# Allegro board CATALYST_NOZZLE_V1_2601.brd (continued)
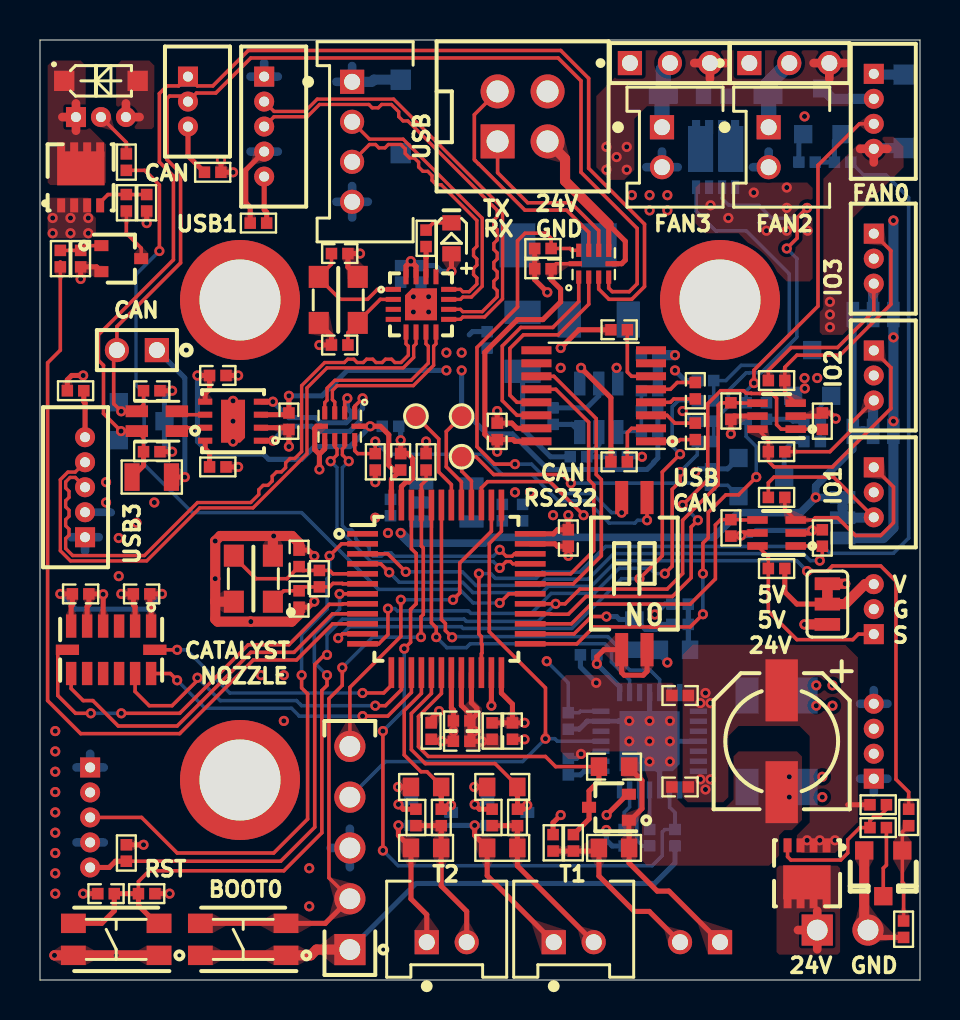
[diagram p0: board, top side]
## Routing (per net, layer and track width the routed paths; a pad name or vN(x,y) marks a point on that pad's centre or on a via; arc(x,y) is an arc through that point) (continued)
GND: length 176.2
  TOP w0.254: v1(19.96,13.44) 19.56,13.05 FB3.1 ; v1(26.42,21.21) C28.2 25.87,21.69 25.75,21.81 U8.35 ; U11.6 28.44,37.77 29.27,36.94 29.27,36 29.08,35.81 U11.5 ; C34.2 13.43,18.64 v1(13.72,18.92) ; J10.2 41.77,2.13 R27.1 ; J23.4 10.29,40.5 10.29,38.86 10.51,38.64 FB5.1 ; C33.2 13.42,21.49 v1(13.72,21.2) ; C5.2 28.54,29.11 v1(27.05,30.61) ; Q2.2 2.83,35.66 R24.1 v1(2.03,35.05) ; U7.2 4.75,18.67 4.67,18.76 C25.2 v1(4.06,19.3) ; U2.15 23.85,27.58 23.59,27.84 C2.2 v1(22.86,28.45) ; R7.1 v1(16.76,24.89) ; v1(2.16,30.23) 1.58,30.23 1.37,30.01 FB1.1 ; v1(18.03,26.99) C29.2 18.38,26.32 18.63,26.07 18.63,25.08 18.45,24.9 18.3,24.9 18.07,24.67 U8.47 ; U5.5 13.84,27.69 13.74,27.58 13.74,26.52 13.97,26.29 ; Y1.4 14.57,32.22 C23.2 v1(13.97,31.75) ; v1(13.97,25.53) 13.97,26.29 ; 13.97,26.29 14.24,26.56 U5.6 ; v1(9.05,40.99) FB4.1 v1(9.65,40.39) ; U12.2 12.36,27.61 C15.2 v1(12.45,26.67) ; U7.5 2.36,18.67 2.44,18.76 C24.2 3.14,19.3 v1(3.16,19.29) U7.4 ; C26.2 v1(2.16,4.32) ; C16.2 v1(9.91,30.23) ; C17.2 v1(6.6,26.42) ; U8.23 v1(22.57,13.72) ; C10.2 26.95,32.51 v1(26.04,31.6) ; R6.2 v1(9.91,25.65) ; v1(25.37,34.38) 24.73,35.02 C45.2 R51.1 ; C27.2 v1(24.23,12.03) ; C18.2 v1(6.6,29.46) ; Y1.2 15.4,35.65 C22.2 v1(16,36.32) ; R9.2 v1(19.3,26.92)
  TOP w0.432: 4.3,43.83 J9.3 4.98,43.15
  TOP w0.508: Y2.4 8.77,18.92 8.76,18.92 ; v1(11.68,22.2) 12.6,22.2 12.95,21.84 C33.2 ; v1(11.68,22.2) 11.64,22.16 Y2.2 ; v1(11.68,22.2) 9.01,22.2 v1(8.76,21.95) v1(8.76,20.07) 8.76,18.93 8.76,18.92 ; J1.2 26.25,41.06 26.25,39.95 28.44,37.77 ; SW2.1 v1(3.81,1.23) SW2.4 v1(0.72,1.23) ; J10.2 41.21,2.69 Q4.2 ; 8.76,18.92 8.76,18.04 8.88,17.92 v1(10.54,17.92) 12.59,17.92 12.95,18.29 C34.2
  ART02 w0.432: J9.3 4.3,43.83 ; J9.3 4.3,42.47 ; J9.3 4.98,43.15 ; 40.44,2.5 J10.2 ; J10.2 41.4,3.46 ; J10.2 41.4,1.54 ; J10.2 42.36,2.5 ; J1.2 25.38,42.96 ; J1.2 25.38,40.9 ; J1.2 24.35,41.93 ; J1.2 26.41,41.93 ; J8.1 41.69,45.99 ; J8.1 42.37,45.31 ; J8.1 41.01,45.31 ; 3.19,6.88 J20.4 1.83,6.88 ; 41.01,30.23 J17.2 42.37,30.23 ; J20.1 3.19,10.63 ; J20.1 2.51,11.31 ; J20.1 1.83,10.63 ; 41.01,24.38 J14.2 42.37,24.38 ; J6.3 15.49,7.56 ; J6.3 14.53,6.6 ; J6.3 16.45,6.6 ; J6.3 15.49,5.64 ; 14.82,38.91 J4.4 ; J4.4 15.61,39.7 ; J4.4 15.61,38.13 ; J4.4 16.39,38.91 ; 1.57,23.39 J22.2 2.93,23.39 ; 11.89,41.42 J23.4 10.53,41.42 ; 42.37,18.54 J11.2 41.01,18.54 ; 42.37,36.07 J18.2 41.01,36.07
  ART03 w0.432: 40.44,2.5 J10.2 ; J10.2 41.4,3.46 ; J10.2 42.36,2.5 ; J10.2 41.4,1.54 ; J20.1 2.51,11.31 ; J20.1 1.83,10.63 ; J20.1 3.19,10.63 ; 2.93,23.39 J22.2 1.57,23.39 ; 1.83,6.88 J20.4 3.19,6.88 ; J6.3 15.49,7.56 ; J6.3 16.45,6.6 ; J6.3 15.49,5.64 ; J6.3 14.53,6.6
  BOTTOM w0.254: v1(27.81,14.86) 27.02,15.65 C41.2 ; v1(32.77,25.4) 32.92,25.56 R55.2 34.38,25.56 Q11.2 ; v1(18.03,26.99) 18.03,27.59 C21.2 ; v1(6.6,29.46) 6.22,29.08 D2.3 6.22,26.8 v1(6.6,26.42) ; R45.1 32.26,29.97 v1(31.75,30.48) ; U9.18 v1(30.48,12.95) ; R28.2 37.94,42.07 Q5.2 ; R36.1 32.64,27.94 v1(32.13,28.45) ; U9.3 30.98,10.42 v1(30.48,10.92) ; R3.1 25.53,26.16 24.13,27.56 C7.2 ; R16.1 26.96,12.54 27.36,12.94 U9.13 28.94,12.94 28.96,12.95 v1(29.46,12.95) ; v1(27.05,11.3) 26.83,11.08 C40.2 ; U9.25 v1(31.5,11.94)
  BOTTOM w0.381: 3.56,23.37 3.54,23.39 J22.2
  BOTTOM w0.432: J6.3 15.49,7.56 ; J6.3 15.49,5.64 ; J6.3 14.53,6.6 ; 3.19,6.88 J20.4 1.83,6.88 ; 1.83,10.63 J20.1 ; J20.1 3.19,10.63 ; J20.1 2.51,11.31 ; 11.89,41.42 J23.4 10.53,41.42 ; J4.4 15.61,39.7 ; J4.4 15.61,38.13 ; J4.4 16.39,38.91 ; J4.4 14.82,38.91
  BOTTOM w0.508: R4.1 C6.2 v1(31.75,31.24) ; J8.1 41.73,45.27 D13.2
  vias: v1(0.76,12.45) v1(0.76,11.43) v1(0.76,10.41) v1(0.76,9.4) v1(0.76,8.38) v1(0.76,7.37) v1(0.76,6.35) v1(0.76,5.33) v1(0.76,4.32) v1(3.3,24.89) v1(3.3,23.88) v1(3.94,22.1) v1(3.94,20.19) v1(4.83,22.86) v1(5.71,23.88) v1(9.65,28.96) v1(9.65,27.94) v1(9.65,26.92) v1(11.05,15.24) v1(12.19,15.24) v1(12.19,12.95) v1(13.46,5.59) v1(13.46,3.68) v1(18.67,34.16) v1(18.67,33.4) v1(19.43,34.16) v1(19.43,33.4) v1(23.75,24.38) v1(24.51,24.38) v1(26.04,30.61) v1(29.46,11.94) v1(30.48,11.94) v1(31.5,12.95) v1(31.5,10.92) v1(33.53,38.73) v1(34.42,38.1) v1(35.69,39.37) v1(36.32,37.47) v1(37.34,39.62) v1(37.34,38.61) v1(37.34,37.47) v1(37.47,10.16) v1(37.47,9.14) v1(38.23,43.18) v1(38.38,37.47) v1(38.81,14.73) v1(38.81,13.72) v1(39.12,10.16) v1(39.12,9.14) v1(39.62,14.73) v1(39.62,13.72)
VBUS: length 8.1
  BOTTOM w0.432: J23.1 11.89,45.17 ; J23.1 10.53,45.17 ; J23.1 11.21,45.85 ; 2.25,21.46 J22.1 ; J22.1 2.93,22.14 ; J22.1 1.57,22.14 ; 14.82,44.91 J4.1 15.61,45.69
  BOTTOM w0.508: D12.1 16.7,45.02 16.59,44.91 J4.1
VDDA: length 14.6
  TOP w0.254: R39.1 21.97,8.54 v1(21.73,8.78) ; C30.1 21.84,13.3 21.84,13.59 21.57,13.86 U8.21 ; C30.1 C31.1 v1(22.1,11.94) 22.51,11.94 FB2.2 ; C30.1 21.49,13.3 21.07,13.73 U8.20 ; R33.1 25.65,7.87 v1(26.04,8.25) ; v1(17.92,8.78) 18.16,8.54 R46.1 ; v1(28.33,8.25) 29.37,9.29 D6.2
  BOTTOM w0.254: v1(30.73,18.28) 31.25,18.8 R11.1 ; v1(17.92,8.78) 18.31,8.78 D11.2 ; D8.2 22.12,8.78 v1(21.73,8.78)
  vias: v1(21.72,12.45)
VSSA: length 45
  TOP w0.254: C42.2 29.46,10.61 30.1,9.97 30.1,8.57 29.52,7.99 D6.1 29.44,7.34 29.46,7.32 RV2.1 29.46,5.85 30.86,4.45 31.45,4.45 J13.1 ; v1(17.92,7.73) 17.92,7.23 RV4.1 18.55,4.06 19.34,3.27 J19.1 ; J15.1 22.36,5.22 RV3.1 21.73,7.23 v1(21.73,7.73) ; C44.2 v1(17.91,9.65) ; FB3.2 19.65,11.94 v1(20.07,11.94) C31.2 v1(20.67,12.45) C30.2 20.67,13.5 20.57,13.6 U8.19 ; C43.2 v1(21.72,9.65)
  ART02 w0.432: J19.1 19.34,2.67 ; J19.1 20.12,1.89 ; J19.1 18.55,1.89 ; J13.1 34.79,1.89 ; J13.1 33.22,1.89 ; J13.1 34,2.67 ; J15.1 25.69,2.67 ; J15.1 26.47,1.89 ; J15.1 24.9,1.89
  BOTTOM w0.254: v1(31.37,15.88) 31,16.25 RV1.1 29.73,16.51 C32.2 ; D8.1 v1(21.73,7.73) D11.1 v1(17.92,7.73)
BOOT0: length 33.4
  TOP w0.178: v1(15.11,15.62) 15.11,14.73 14.45,14.07 14.45,5.11 J6.2 ; v1(19.05,17.14) 19.05,18.16 19.16,18.28 19.16,21.6 19.07,21.7 U8.45 19.07,24.76 19.3,24.99 R9.1
  TOP w0.254: SW1.3 SW1.2 14.26,2.83 J6.2
  BOTTOM w0.178: v1(19.05,17.14) 16.64,17.14 v1(15.11,15.62)
CAN_RX: length 6.9
  TOP w0.178: U5.2 15.23,28.95 v1(15.37,29.08)
  TOP w0.254: U12.4 v1(11.64,28.92)
  BOTTOM w0.254: v1(11.64,28.92) 12.44,28.12 13.77,28.12 14.02,27.86 15.31,27.86 15.57,28.13 15.57,28.37 15.37,28.57 v1(15.37,29.08)
CAN_TX: length 7.7
  TOP w0.178: v1(16.13,29.08) 15.74,28.69 U5.1
  TOP w0.254: U12.1 v1(11.64,26.96)
  BOTTOM w0.254: v1(11.64,26.96) 12.36,27.69 13.59,27.69 13.84,27.43 15.49,27.43 16,27.95 16,28.45 16.13,28.57 v1(16.13,29.08)
CANH: length 61.4
  TOP w0.178: U11.3 27.93,34.55 28.45,34.04 29.59,34.04 30.23,34.67 30.23,37.79 27.43,40.59 27.43,45.08 26.04,46.47 10.41,46.47 8.64,44.7 7.87,44.7 J21.1 6.93,44.7 6.35,44.7 5.97,44.32 5.97,40.9 6.67,40.2 6.67,36.01 2.92,32.26 2.92,30.99 3.17,30.73 3.17,28.32 v1(4.05,27.44) L2.2 5.18,27.11 C17.1
  TOP w0.254: C17.1 5.18,25.72 R5.2
  BOTTOM w0.254: v1(4.05,27.44) 3.94,27.33 3.94,26.99
CANL: length 55.7
  TOP w0.178: C18.1 5.18,28.77 L2.4 v1(4.06,28.44) 3.68,28.81 3.68,31.33 J3.2 3.85,32.67 7.03,35.86 7.03,40.34 6.35,41.02 6.35,44.07 6.48,44.2 7.12,44.2 J21.2 7.83,44.35 8.79,44.35 10.54,46.1 25.91,46.1 27.05,44.96 27.05,40.39 29.86,37.58 29.86,34.81 29.46,34.42 28.61,34.42 28.44,34.59 U11.4
  BOTTOM w0.254: v1(4.06,28.44) 3.94,28.56 3.94,28.89
DC_5V: length 97.8
  TOP w0.254: U12.3 12.36,28.27 C15.1 v1(12.45,29.21)
  TOP w0.432: J26.3 34.28,45.85 ; J26.3 32.71,45.85 ; J26.3 33.5,45.06 ; J25.3 40.25,45.85 ; J25.3 38.68,45.85 ; J25.3 39.47,45.06
  TOP w0.508: 39.37,19.43 JP1.1 v1(40.26,19.81)
  ART03 w0.254: v1(38.79,24.13) 38.79,23.62 40.26,22.15 v1(40.26,19.81)
  ART03 w1.016: 15.75,23.24 7.11,23.24 5.08,21.21 5.08,10.41 4.04,9.38 J20.2
  BOTTOM w0.254: C8.1 21.62,32.42 21.46,32.26 ; v1(12.45,29.21) 14.1,29.21 15.37,30.48 v1(20.32,30.48) ; N2.2 JP2.1 ; R2.2 C3.1 30.89,26.1 30.68,25.89 30.68,25.86 30.35,25.53 25.4,25.53 23.62,27.3 22.35,27.3 21.08,28.57 v1(21.08,30.48) ; N4.2 JP4.1 ; N3.2 JP3.1
  BOTTOM w0.381: 18.54,21.84 22.23,21.84 22.51,22.13 33.69,22.13 34.92,23.37 38.02,23.37 v1(38.79,24.13) ; JP2.1 v1(38.79,24.13) ; v1(38.79,24.13) 38.79,24.69 40.64,26.54 JP3.1 JP4.1
  BOTTOM w0.508: 18.54,21.84 v1(18.03,22.35)
  vias: v1(16.76,23.11) v1(17.4,22.35) v1(20.32,31.37) v1(21.08,31.37) v1(28.32,41.66) v1(28.32,40.51) v1(28.83,41.15) v1(29.34,41.66) v1(29.34,40.51)
DM1: length 22.3
  TOP w0.168: U6.9 21.02,33.03 21.14,33.15 22.23,33.15 23.13,34.05 23.13,38.6 17.68,44.04 13.86,44.04 13.25,43.43 11.7,43.43 J23.2
DM2: length 8.5
  TOP w0.168: U6.7 19.3,31.81 19.42,31.69 19.42,30.84 18.56,29.98 14.75,29.98 14.35,29.59 14.35,28.99 14.24,28.87 U5.4
DM3: length 30.4
  TOP w0.168: U6.5 18.3,31.81 18.42,31.69 18.42,31.24 18.05,30.87 17.75,30.87 17.58,31.04 17.27,31.04 17.11,30.87 16.8,30.87 16.63,31.04 16.33,31.04 16.16,30.87 15.86,30.87 15.69,31.04 15.38,31.04 15.22,30.87 14.24,30.87 13.08,29.72 13.08,26.42 12.74,26.07 12.5,26.07 12.28,25.86 12.28,25.62 12.07,25.4 11.83,25.4 11.61,25.19 11.61,24.95 11.4,24.73 11.16,24.73 10.94,24.52 10.94,24.27 10.54,23.87 7.87,23.87 5.22,21.22 1.64,21.22 1.28,21.57 1.28,22.07 1.45,22.24 1.45,22.55 1.28,22.71 1.28,23.02 1.45,23.19 1.45,23.49 1.28,23.66 1.28,23.96 1.45,24.13 1.45,24.43 1.28,24.6 1.28,24.91 1.5,25.13 1.76,25.13 J22.3
DMU: length 13.9
  TOP w0.168: U6.11 21.02,34.03 21.14,34.15 21.57,34.15 22.11,34.69 22.11,38.09 18.16,42.04 16.47,42.04 J4.2
DP1: length 22.2
  TOP w0.168: U6.10 21.02,33.53 21.14,33.42 22.11,33.42 22.86,34.16 22.86,34.47 22.69,34.64 22.69,34.94 22.86,35.11 22.86,35.41 22.69,35.58 22.69,35.89 22.86,36.05 22.86,36.36 22.69,36.53 22.69,36.83 22.86,37 22.86,37.53 22.69,37.69 22.69,38 22.86,38.17 22.86,38.49 18.39,42.95 18.15,42.95 17.93,43.17 17.93,43.41 17.57,43.78 17.08,43.78 16.92,43.61 16.61,43.61 16.44,43.78 13.98,43.78 13.36,43.16 11.7,43.16 J23.3
DP2: length 8.5
  TOP w0.168: U5.3 14.74,28.9 14.62,29.02 14.62,29.48 14.86,29.72 18.67,29.72 19.68,30.73 19.68,31.69 19.8,31.81 U6.8
DP3: length 30.5
  TOP w0.168: J22.4 1.76,25.39 1.39,25.39 1.02,25.02 1.02,21.46 1.52,20.95 5.33,20.95 7.99,23.61 10.65,23.61 13.35,26.3 13.35,29.61 14.35,30.61 18.16,30.61 18.68,31.13 18.68,31.69 18.8,31.81 U6.6
DPU: length 13.8
  TOP w0.168: J4.3 16.47,41.78 16.78,41.78 16.94,41.61 17.25,41.61 17.42,41.78 18.05,41.78 18.26,41.56 18.26,41.32 18.48,41.1 18.72,41.1 18.93,40.89 18.93,40.65 19.15,40.43 19.39,40.43 19.6,40.22 19.6,39.98 19.82,39.76 20.06,39.76 21.84,37.98 21.84,36.69 21.68,36.52 21.68,36.22 21.84,36.05 21.84,35.74 21.68,35.58 21.68,35.27 21.84,35.1 21.84,34.8 21.46,34.41 21.14,34.41 21.02,34.53 U6.12
FG: length 18
  TOP w0.178: J8.3 40.97,42.81 38.9,40.74 38.9,33.69 35.7,30.49 v1(35.7,29.84)
  BOTTOM w0.178: v1(35.7,29.84) 35.31,29.45 R23.2 R19.2
OA2: length 2
  BOTTOM w0.432: 41.01,13.81 J24.4 ; J24.4 41.69,14.49 ; J24.4 42.37,13.81
OB2: length 2
  BOTTOM w0.432: 41.69,9.38 J24.1 ; J24.1 42.37,10.06 ; J24.1 41.01,10.06
OSC_IN: length 7.3
  TOP w0.178: Y2.3 9.69,21.17 10.79,20.07 12.35,20.07 12.95,20.67 C33.1 13.15,20.48 R13.2 14.48,20.48 14.65,20.31 U8.5
OSC_OUT: length 4.9
  TOP w0.178: U8.6 15.14,19.81 15.12,19.83 14.65,19.83 14.47,19.65 R13.1 13.15,19.65 C34.1 12.19,19.46 Y2.1
PA0_CS: length 20.6
  TOP w0.178: v1(4.06,13.34) 6.99,13.34 10.41,16.76 12.45,16.76 14.47,18.78 15.12,18.78 15.14,18.81 U8.8 ; U7.7 1.02,16.51 0.89,16.38 0.89,14.22 1.78,13.34 v1(2.54,13.34)
  BOTTOM w0.178: v1(2.54,13.34) v1(4.06,13.34)
PA1_INT: length 18.4
  TOP w0.178: U7.8 1.56,14.57 2.16,13.97 2.64,13.97 3.91,12.7 6.86,12.7 10.54,16.38 12.7,16.38 14.63,18.31 U8.9
PA14: length 16.5
  TOP w0.178: v1(18.04,19.01) 18.04,17.18 15.49,14.63 J6.5 ; U8.38 22.57,22.44 20.99,20.85 20.99,19.35 v1(20.65,19.01)
  BOTTOM w0.178: v1(20.65,19.01) v1(18.04,19.01)
PANG: length 1.5
  TOP w0.254: R8.1 19.3,36.13 19.3,36.13 U6.14
PWM: length 2.8
  BOTTOM w0.508: Q5.3 39.63,44.06 J8.2
R1IN: length 10
  TOP w0.178: U2.13 23.85,28.88 23.5,29.24 23.5,31.58 24.17,32.26 25.91,32.26 27.44,33.79 U11.2
RX: length 8.8
  TOP w0.178: U11.7 27.93,37.47 26.54,38.86 24.38,38.86 22.88,40.37 J1.1
SL1: length 18.7
  TOP w0.178: SW3.1 v1(30.35,22.99) ; U5.9 15.74,26.47 15.88,26.32 R7.2 v1(16.76,26.92)
  BOTTOM w0.178: v1(30.35,22.99) 29.88,22.99 29.74,22.85 28.46,22.85 27.34,23.96 25.9,23.96 24.59,25.27 23.11,25.27 22.1,26.29 17.4,26.29 v1(16.76,26.92)
SL2: length 24.4
  TOP w0.178: SW3.2 v1(29.08,23.37) ; U11.9 26.59,36.48 26.5,36.58 R51.2 25.56,37.08 25.3,37.34 24.26,37.34 23.88,36.96 23.88,33.65 21.85,31.63 21.85,26.66 22.72,25.79 v1(23.75,25.79)
  BOTTOM w0.178: v1(29.08,23.37) 28.57,23.37 27.62,24.32 26.05,24.32 24.57,25.79 v1(23.75,25.79)
SPI1_MISO: length 16.9
  TOP w0.178: U7.12 4.75,14.42 5.46,13.72 6.6,13.72 7.87,14.99 v1(7.87,15.11) ; U8.14 18.07,14.51 17.27,13.72 v1(16.76,13.72)
  BOTTOM w0.178: v1(16.76,13.72) 13.08,13.72 12.82,13.97 9.02,13.97 v1(7.87,15.11)
SPI1_MOSI: length 15.4
  TOP w0.178: v1(16.13,13.2) 17.39,13.2 18.57,14.38 U8.15 ; U7.13 6.52,15.32 v1(6.86,14.99)
  BOTTOM w0.178: v1(16.13,13.2) 12.96,13.2 12.57,13.59 8.26,13.59 v1(6.86,14.99)
SPI1_SCK: length 13.5
  TOP w0.178: U8.13 17.57,14.74 17.18,14.35 v1(16.13,14.35) ; U7.14 v1(6.86,16.51)
  BOTTOM w0.178: v1(16.13,14.35) 9.49,14.35 7.33,16.51 v1(6.86,16.51)
SPI3_MISO: length 5.1
  TOP w0.178: T2.1 20.31,27.43 20.31,25.66 21.07,24.9 U8.41
SPI3_MOSI: length 5.2
  TOP w0.178: T3.1 19.94,27.05 19.94,25.4 20.57,24.77 U8.42
T1OUT: length 10.7
  TOP w0.178: U11.1 26.94,33.92 25.64,32.63 24.04,32.63 23.11,31.7 23.11,28.97 23.85,28.23 U2.14
T_DR: length 7.8
  TOP w0.178: U8.26 26.71,17.31 27.57,18.17 v1(28.32,18.17)
  BOTTOM w0.254: R12.2 31.05,17.78 30.8,17.53 30.27,17.53 29.77,18.03 C32.1 28.98,18.03 28.83,18.17 v1(28.32,18.17)
TX: length 12
  TOP w0.178: J1.3 21.72,43.27 21.72,41.02 21.76,40.98 21.76,40.97 21.92,40.81 21.93,40.81 24.25,38.49 26.33,38.49 27.44,37.39 U11.8
XI: length 3.6
  TOP w0.178: U6.2 17.01,34.03 15.89,32.91 Y1.1 15.4,32.36 C23.1
XO: length 5.9
  TOP w0.178: U6.1 16.88,34.53 16.38,34.04 15.01,34.04 13.94,35.11 Y1.3 14.57,35.79 C22.1
N00145: length 15.4
  TOP w0.168: U8.33 23.64,20.81 23.53,20.92 23.31,20.92 v1(22.99,20.6) ; U5.7 14.74,26.66 14.85,26.55 14.85,26.26 v1(14.53,25.94)
  BOTTOM w0.168: v1(22.99,20.6) 22.67,20.92 16.54,20.92 14.85,22.61 14.85,25.62 v1(14.53,25.94)
N00161: length 15.4
  TOP w0.168: U8.34 23.72,21.31 23.61,21.19 23.31,21.19 v1(22.99,21.51) ; U5.8 15.23,26.67 15.12,26.55 15.12,26.26 v1(15.44,25.94)
  BOTTOM w0.168: v1(22.99,21.51) 22.67,21.19 17.72,21.19 17.55,21.36 17.25,21.36 17.08,21.19 16.65,21.19 16.46,21.38 16.46,21.63 16.24,21.84 16,21.84 15.79,22.05 15.79,22.3 15.57,22.51 15.33,22.51 15.12,22.73 15.12,25.62 v1(15.44,25.94)
N00207: length 15
  TOP w0.178: U8.31 26.66,19.81 28.07,21.21 28.07,25.02 27.81,25.27 27.81,28.07 25.69,30.19 U2.11
N00211: length 13.5
  TOP w0.178: U8.32 26.53,20.31 27.69,21.46 27.69,23.01 27.7,23.03 27.7,23.46 27.69,23.47 27.69,24.77 27.43,25.02 27.43,27.89 25.79,29.54 U2.12
N00687: length 36.5
  TOP w0.178: v1(17.14,6.48) v1(17.14,12.45) ; v1(18.21,16.57) 18.53,16.89 18.53,18.53 18.81,18.81 18.81,21.33 18.57,21.56 U8.46
  BOTTOM w0.178: v1(17.14,6.48) 17.91,5.71 30.61,5.71 31.11,6.22 31.11,7.4 31.24,7.52 R14.2 31.75,8.37 31.48,8.64 U9.2 ; v1(17.14,12.45) 18.21,13.51 v1(18.21,16.57)
N00693: length 18.4
  TOP w0.178: v1(19.81,17.14) 19.81,17.62 19.57,17.86 U8.44
  BOTTOM w0.178: v1(19.81,17.14) 20.34,16.62 21.32,16.62 21.51,16.81 28.24,16.81 28.57,16.48 28.57,15.9 29.48,15 U9.16
N00699: length 19.1
  TOP w0.178: v1(20.6,17.14) 20.27,17.47 20.27,17.83 20.07,18.02 U8.43
  BOTTOM w0.178: U9.19 30.98,15.02 30.51,15.49 29.49,15.49 28.93,16.05 28.93,16.63 28.39,17.17 20.63,17.17 v1(20.6,17.14)
N00703: length 19.5
  TOP w0.178: v1(27.18,23.24) 25.5,24.92 22.38,24.92 22.07,24.61 U8.39
  ART03 w0.178: v1(25.34,15.94) 27.18,17.78 v1(27.18,23.24)
  BOTTOM w0.178: U9.14 27.03,13.44 26.95,13.37 R16.2 26.42,14.86 v1(25.34,15.94)
N00715: length 26.9
  TOP w0.178: U8.37 23.07,22.43 22.47,21.83 22.47,17.41 25.27,14.61 v1(25.27,12.06)
  BOTTOM w0.178: J6.4 17.27,10.92 24.13,10.92 v1(25.27,12.06) 25.75,12.06 25.87,11.94 U9.11
N00855: length 17.5
  TOP w0.178: U8.18 20.07,14.33 18.92,13.18 18.92,11.67 19.41,11.18 25.27,11.18 25.78,10.67 C42.1
  TOP w0.254: R34.2 26.67,7.27 27.45,8.05 D6.3 27.45,9.45 27.95,9.95 C42.1
N00961: length 12.4
  TOP w0.178: U8.17 19.57,14.33 18.57,13.32 18.57,11.52 19.27,10.82 22.75,10.82 23.87,9.71 C43.1
  TOP w0.254: v1(24.36,8.74) 24.16,8.54 R40.2 23.88,9.18 23.87,9.19 C43.1
  BOTTOM w0.254: D8.3 v1(24.36,8.74)
N00967: length 9.1
  TOP w0.178: U8.16 19.07,14.33 18.21,13.47 18.21,11.25 19.05,10.41 19.35,10.41 20.06,9.71 C44.1
  TOP w0.254: v1(20.55,8.74) 20.35,8.54 R50.2 20.07,9.18 20.06,9.19 C44.1
  BOTTOM w0.254: D11.3 v1(20.55,8.74)
N00973: length 40.2
  TOP w0.178: U8.4 17.04,20.81 v1(17.46,20.38) ; R25.2 43.43,9.4 42.8,10.03 42.8,19.94 42.04,20.7 39.62,20.7 39.37,20.45 v1(38.35,20.45)
  BOTTOM w0.178: v1(38.35,20.45) 37.84,20.97 28.84,20.97 27.56,19.68 25.42,19.68 25.11,19.37 21.64,19.37 21.13,19.89 17.96,19.89 v1(17.46,20.38)
N01005: length 26.4
  TOP w0.178: v1(18.29,20.41) 17.39,21.31 U8.3 ; Q6.1 38.51,21.7 38.53,21.69 R30.2 39.12,21.09 v1(38.99,20.97)
  BOTTOM w0.178: v1(38.99,20.97) 38.52,20.97 38.16,21.32 28.69,21.32 27.41,20.04 25.27,20.04 24.96,19.73 21.8,19.73 21.12,20.41 v1(18.29,20.41)
N01009: length 15.1
  TOP w0.178: U8.27 26.57,17.81 27.56,18.8 32.51,18.8 33.77,20.05 33.77,22.75 34.04,23.02 R37.2 35.05,23.02 35.07,23 Q6.4
N01013: length 26.1
  TOP w0.178: v1(32.89,22.99) 32.56,22.65 32.56,20.11 31.62,19.18 27.3,19.18 26.42,18.29 25.57,18.29 25.54,18.31 U8.28 ; R42.2 38.61,27.53 38.59,27.54 Q8.1 37.06,27.54 36.83,27.77 36.83,29.09 36.58,29.34 36.01,29.34 36,29.32 35.57,29.32 35.56,29.34 35.31,29.34 35.18,29.46 34.04,29.46 33.39,28.82 33.39,25.01 v1(32.13,23.75)
  BOTTOM w0.178: v1(32.89,22.99) v1(32.13,23.75)
N01023: length 53.6
  TOP w0.178: R49.2 12.03,5.94 13.74,7.64 13.74,15.77 14.22,16.26 v1(14.35,16.26) ; Q8.4 35.07,28.84 35.05,28.86 R47.2 34.04,28.86 33.91,28.73 33.91,24.77 32.13,22.99 32.13,20.32 31.36,19.55 26.99,19.55 26.25,18.81 v1(25.78,18.81) U8.29
  TOP w0.254: R49.2 3.77,5.94 3.46,5.63 J20.5
  BOTTOM w0.178: v1(14.35,16.26) 14.35,17.27 15.13,18.05 21.2,18.05 21.31,17.93 24.9,17.93 v1(25.78,18.81)
N01029: length 40.9
  TOP w0.178: U8.10 14.63,17.81 12.83,16 10.67,16 6.99,12.32 2.03,12.32 0.38,13.97 0.38,30.86 1.02,31.49 R21.1 1.02,35.91
N01033: length 25
  TOP w0.178: v1(32,25.4) 32,24.93 31.61,24.53 31.61,20.69 v1(31.24,20.32) ; U8.12 16.93,16.81 17.4,17.27 v1(17.4,18.57)
  BOTTOM w0.178: R35.1 32.86,26.26 v1(32,25.4) ; v1(31.24,20.32) 30.76,20.32 30.49,20.59 28.96,20.59 27.71,19.33 25.57,19.33 24.57,18.33 21.55,18.33 21.42,18.45 17.86,18.45 17.75,18.57 v1(17.4,18.57)
N01037: length 28.7
  TOP w0.178: v1(29.97,20.07) 31.11,21.21 31.11,25.4 v1(32,26.29) ; U8.11 15.12,17.31 v1(14.91,17.09)
  BOTTOM w0.178: v1(32,26.29) 31.61,26.68 31.61,28.66 31.92,28.97 32.35,28.97 32.36,28.96 R44.1 ; v1(14.91,17.09) 15.48,17.67 21.07,17.67 21.16,17.58 26.59,17.58 29.08,20.07 v1(29.97,20.07)
N01047: length 28.1
  TOP w0.178: U8.2 15.08,21.81 v1(14.48,21.21) ; v1(13.08,15.24) 13.08,14.61 13.38,14.31 13.38,8.05 11.68,6.35 6.86,6.35 5.08,8.13 J20.3
  BOTTOM w0.178: v1(13.08,15.24) 13.08,17.27 14.35,18.54 14.35,20.07 14.48,20.19 v1(14.48,21.21)
N01059: length 20.7
  TOP w0.178: v1(35.81,25.15) 34.92,24.26 34.29,24.26 33.41,23.38 33.41,22.11 33.15,21.84 v1(33.15,20.32) ; v1(33.15,18.29) 32.51,17.65 30.96,17.65 30.95,17.64 30.52,17.64 30.51,17.65 27.69,17.65 26.84,16.81 U8.25
  BOTTOM w0.178: v1(33.15,18.29) v1(33.15,20.32) ; v1(35.81,25.15) 35.81,26.67 35.31,27.18 R23.1
N01063: length 48.4
  TOP w0.178: v1(21.95,20.32) 21.95,17.29 22.07,17.17 22.07,16.81 22.1,16.78 22.1,16.35 22.07,16.32 U8.22
  BOTTOM w0.178: R26.1 41.18,40.26 42.29,40.26 43.43,39.12 43.43,22.1 42.67,21.34 39.5,21.34 39.16,21.68 28.28,21.68 27,20.4 25.12,20.4 24.81,20.08 22.77,20.08 22.53,20.32 v1(21.95,20.32)
N02435: length 38.9
  TOP w0.178: U8.30 23.44,19.31 v1(22.99,18.85) ; R29.1 5.24,40.48 5.97,39.75 v1(5.97,36.45)
  BOTTOM w0.178: v1(22.99,18.85) 21.66,18.85 20.98,19.53 16.92,19.53 13.08,23.37 7.62,23.37 5.21,25.78 5.21,29.34 4.8,29.75 4.8,35.28 v1(5.97,36.45)
N04404: length 17.3
  TOP w0.178: v1(26.54,24.84) 26.11,25.27 22.69,25.27 21.8,26.16 T1.1 21.08,25.45 21.57,24.96 U8.40
  BOTTOM w0.178: v1(26.54,24.84) 32.59,24.84 32.69,24.73 R55.1 34.38,24.73 Q11.1
N439507: length 2.1
  BOTTOM w0.178: C35.2 29.21,8.38 29.48,8.65 U9.6
N439695: length 2
  BOTTOM w0.178: U9.4 C39.1
N439809: length 3.3
  BOTTOM w0.178: U9.5 29.98,8.39 29.84,8.26 29.84,6.99 30.13,6.7 C39.2
N445833: length 31.1
  TOP w0.178: R10.2 4.92,4.92 5.46,5.46 12.19,5.46 14.09,7.36 14.09,14.47 14.35,14.73 v1(14.35,15.24) ; U8.7 14.99,19.31 14.99,19.3 v1(14.98,19.3)
  TOP w0.254: SW2.2 5.82,2.83 4.92,3.73 R10.2 C26.1 3.71,3.46 3.09,2.83 SW2.3
  BOTTOM w0.178: v1(14.98,19.3) 14.98,18.53 13.72,17.27 13.72,15.88 v1(14.35,15.24)
N689158: length 3.5
  TOP w0.432: 41.69,40.88 J8.4 ; J8.4 42.37,41.56 ; J8.4 41.01,41.56
  BOTTOM w0.508: J8.4 41.73,41.6 D13.1
  vias: v1(39.5,33.91) v1(39.5,33.27) v1(39.5,32.64)
N689549: length 2.5
  BOTTOM w0.254: R28.1 R26.2 39.72,41.94 Q5.1
N689742: length 2.9
  TOP w0.432: J10.1 38.86,3.46 ; J10.1 37.9,2.5 ; J10.1 38.86,1.54
N689800: length 7.4
  TOP w0.178: Q3.4 37.38,6.16 37.54,6 40.04,6 40.39,6.35 40.39,7.01 40.99,7.62 R22.1 41.5,7.97 41.73,8.21 41.99,8.21 42.32,8.54 R53.1
N690266: length 2.4
  TOP w0.254: FB1.2 2.19,28.92 2.25,28.86 J22.5
N764204: length 2.3
  TOP w0.178: C9.1 32,27.02 31.92,26.93 U2.1
N764248: length 2.7
  TOP w0.178: C5.1 29.37,27.37 29.58,27.58 U2.2
N764252: length 2.4
  TOP w0.178: C9.2 31.74,27.84 31.35,28.23 U2.3
N764276: length 2.3
  TOP w0.178: C11.1 31.69,29.05 31.52,28.88 U2.4
N764288: length 3.4
  TOP w0.178: U2.6 29.58,30.19 29.37,30.4 C10.1
N764308: length 2.4
  TOP w0.178: C11.2 31.86,29.88 31.52,29.54 U2.5
N764590: length 7.6
  TOP w0.254: R5.1 v1(7.24,25.15)
  BOTTOM w0.254: v1(7.24,25.15) 7.24,30.1 J3.1
N764618: length 1.5
  TOP w0.178: U12.7 7.01,27.61 L2.1
N764670: length 1.5
  TOP w0.178: L2.3 7.01,28.27 U12.6
N764674: length 1.4
  TOP w0.254: R6.1 8.48,26.34 8.26,26.56 U12.8
N770206: length 3.5
  TOP w0.178: Q4.3 42.16,5.59 42.32,5.75 R22.2
N770305: length 4.9
  TOP w0.178: R25.1 43.12,7.4 Q4.1 43.12,4.89 43.18,4.83 R27.2
N770413: length 3.7
  BOTTOM w0.762: J12.1 36.43,44.16 D5.1 36.4,44.78 36.63,45.01 36.63,45.01 J25.2
N770422: length 1.6
  BOTTOM w0.432: 35.65,40.64 J12.2 36.43,41.42
N772272: length 1.5
  BOTTOM w0.254: C1.1 26.6,27.78 U10.6
N772280: length 3.1
  BOTTOM w0.254: U10.2 27.94,29.21 27.34,28.61 C1.2
N772556: length 2.7
  BOTTOM w0.254: U10.5 27.94,26.77 R3.2 R1.1
N772576: length 3.2
  BOTTOM w0.178: U10.4 29.39,27.39 29.43,27.43 C3.2 R2.1 R4.2
N775102: length 9.2
  TOP w0.254: J13.2 30.46,3.43 29.72,3.43 27.95,5.2 RV2.2 27.79,6.45 R34.1 R33.2
N775754: length 10.3
  TOP w0.178: J18.3 41.69,33.43 39.88,31.62 37.56,31.62 36.42,30.48 R48.2
  BOTTOM w0.254: N4.1 JP4.2
  BOTTOM w0.508: J18.3 41.66,34.79 JP4.2
N775938: length 12.5
  TOP w0.178: Q8.3 37.24,29.39 R48.1 37.24,30.64 37.85,31.24 40,31.24 42.55,33.78 42.55,36.46 J18.1
N776540: length 19.9
  TOP w0.178: v1(38.35,38.61) 37.86,38.11 37.86,37.1 v1(37.34,36.58)
  BOTTOM w0.178: v1(37.34,36.58) 37.85,36.07 37.85,32.15 36.06,30.37 35.48,30.37 35.47,30.35 35.3,30.35 34.42,29.47 34.42,28.67 33.69,27.94 R36.2 R35.2 ; Q9.2 34.11,39.08 34.45,38.73 35.94,38.73 36.59,38.09 37.84,38.09 v1(38.35,38.61)
N777015: length 7.7
  TOP w0.178: R43.2 39.5,26.42 40.51,27.43 40.51,27.8 J17.3
  BOTTOM w0.254: N3.1 JP3.2
  BOTTOM w0.508: JP3.2 41.66,28.94 J17.3
N777197: length 12.5
  TOP w0.178: Q8.6 36.42,27 R43.1 36.42,25.94 36.7,25.65 39.62,25.65 42.55,28.57 42.55,30.62 J17.1
N777329: length 6.7
  TOP w0.254: JP1.2 37.85,18.8 37.24,19.4 R31.2
  TOP w0.508: J11.3 41.25,19.79 40.26,18.8 JP1.2 N1.1
N777511: length 9.5
  TOP w0.178: Q6.6 36.42,21.16 R31.1 36.42,18.45 37.85,17.02 40.64,17.02 40.91,17.29 J11.1
N777567: length 8.9
  TOP w0.178: J14.3 39.68,25.15 36.7,25.15 36.42,24.86 R38.2
  BOTTOM w0.254: N2.1 JP2.2
  BOTTOM w0.508: JP2.2 41.67,23.11 J14.3
N777749: length 10.1
  TOP w0.178: J14.1 42.67,24.65 42.67,22.86 42.04,22.23 40.77,22.23 39.88,23.11 38.77,23.11 38.65,23 Q6.3 37.24,23.55 R38.1
N778463: length 2
  TOP w0.432: J9.1 1.8,43.83 ; J9.1 1.8,42.47 ; J9.1 1.12,43.15
N778579: length 2.4
  TOP w0.178: R29.2 4.32,41.88 J9.2
N778917: length 2.6
  TOP w0.178: R18.2 R20.2 3.4,39.27 3.01,38.88 Q1.4
N779031: length 2.7
  TOP w0.178: R20.1 4.32,37.34 5.06,36.59 Q2.3
N779411: length 2.2
  TOP w0.178: Q2.1 2.27,36.72 R24.2 R21.2
N783622: length 2.3
  BOTTOM w0.254: R11.2 R12.1 32.42,16.6 RV1.2
N788431: length 3.4
  BOTTOM w0.762: J16.1 31.1,44.13 D9.1 31.17,45.52 J26.2
N788507: length 2.4
  BOTTOM w0.432: J16.2 31.1,41.42 ; J16.2 30.31,40.64 ; J16.2 31.88,40.64
N788599: length 15.9
  BOTTOM w0.178: Q9.4 32.81,38.44 33.79,37.45 35.32,37.45 37.47,35.31 37.47,32.27 35.93,30.73 35.05,30.73 34.29,29.97 R45.2 R44.2
N789519: length 8.7
  TOP w0.254: R39.2 R40.1 23.88,7.33 23.87,7.32 RV3.2 23.87,5.71 J15.2
N793044: length 7.6
  TOP w0.254: R46.2 R50.1 20.07,7.33 20.06,7.32 RV4.2 20.06,4.71 21.34,3.43 J19.2
N802487: length 2.6
  TOP w0.254: J21.3 7.4,41.21 8.22,40.39 FB4.2
N802936: length 1.4
  TOP w0.178: D3.1 19.67,37.86 R8.2
N804807: length 2.5
  BOTTOM w0.178: Q10.1 39.02,28.67 R52.2 R54.1
N805169: length 2.4
  TOP w0.254: FB5.2 11.33,38.39 11.21,38.51 J23.5
N805999: length 2.5
  BOTTOM w0.254: Q11.3 37.21,26.48 37.66,26.92 R54.2

## Copper pours and planes (outline as drawn; the poured copper is in the pictures)
3V3 on BOTTOM: 20.95,23.24 25.02,23.24 25.4,23.62 27.18,23.62 27.3,23.5 27.3,22.61 27.18,22.48 22.35,22.48 22.1,22.23 20.95,22.23 20.83,22.35 20.83,23.11
3V3 on ART03: 23.75,22.61 23.75,19.3 22.86,18.41 14.61,18.41 13.97,17.78 9.53,17.78 7.49,19.81 6.1,19.81 5.84,19.56 5.84,9.65 4.7,8.51 4.7,1.65 5.84,0.51 16.38,0.51 16.76,0.89 16.76,2.16 16.13,2.79 7.87,2.79 6.99,3.68 6.99,8.13 6.73,8.38 6.73,11.81 10.79,15.88 22.86,15.88 23.88,14.86 23.88,12.7 24.13,12.45 25.15,12.45 25.4,12.7 25.4,13.97 26.8,15.37 28.19,15.37 28.57,15.75 28.57,20.95 29.21,21.59 35.18,21.59 35.56,21.97 35.56,27.3 35.18,27.69 33.91,27.69 33.66,27.43 33.66,25.78 33.27,25.4 29.08,25.4 26.8,27.69 25.02,27.69 23.5,29.21 23.5,34.54 22.1,35.94 19.43,35.94 18.54,36.83 18.03,36.83 17.65,36.45 17.65,36.2 18.92,34.92 21.08,34.92 21.97,34.04 21.97,24.38
24V on TOP: 32.13,16.26 32.13,9.14 32.38,8.89 34.16,8.89 34.42,9.14 34.42,12.19 34.92,12.7 37.97,12.7 38.48,12.19 38.48,7.87 37.85,7.24 37.85,6.6 38.1,6.35 39.75,6.35 40.89,7.49 40.89,16.13 40.26,16.76 32.64,16.76
24V on TOP: 0.38,38.99 0.38,37.21 0.51,37.08 2.54,37.08 2.79,37.34 2.79,38.1 2.54,38.35 2.54,38.99 2.41,39.12 0.51,39.12
